# Altium PCB master.PcbDoc (part 5 of 10) (continued)
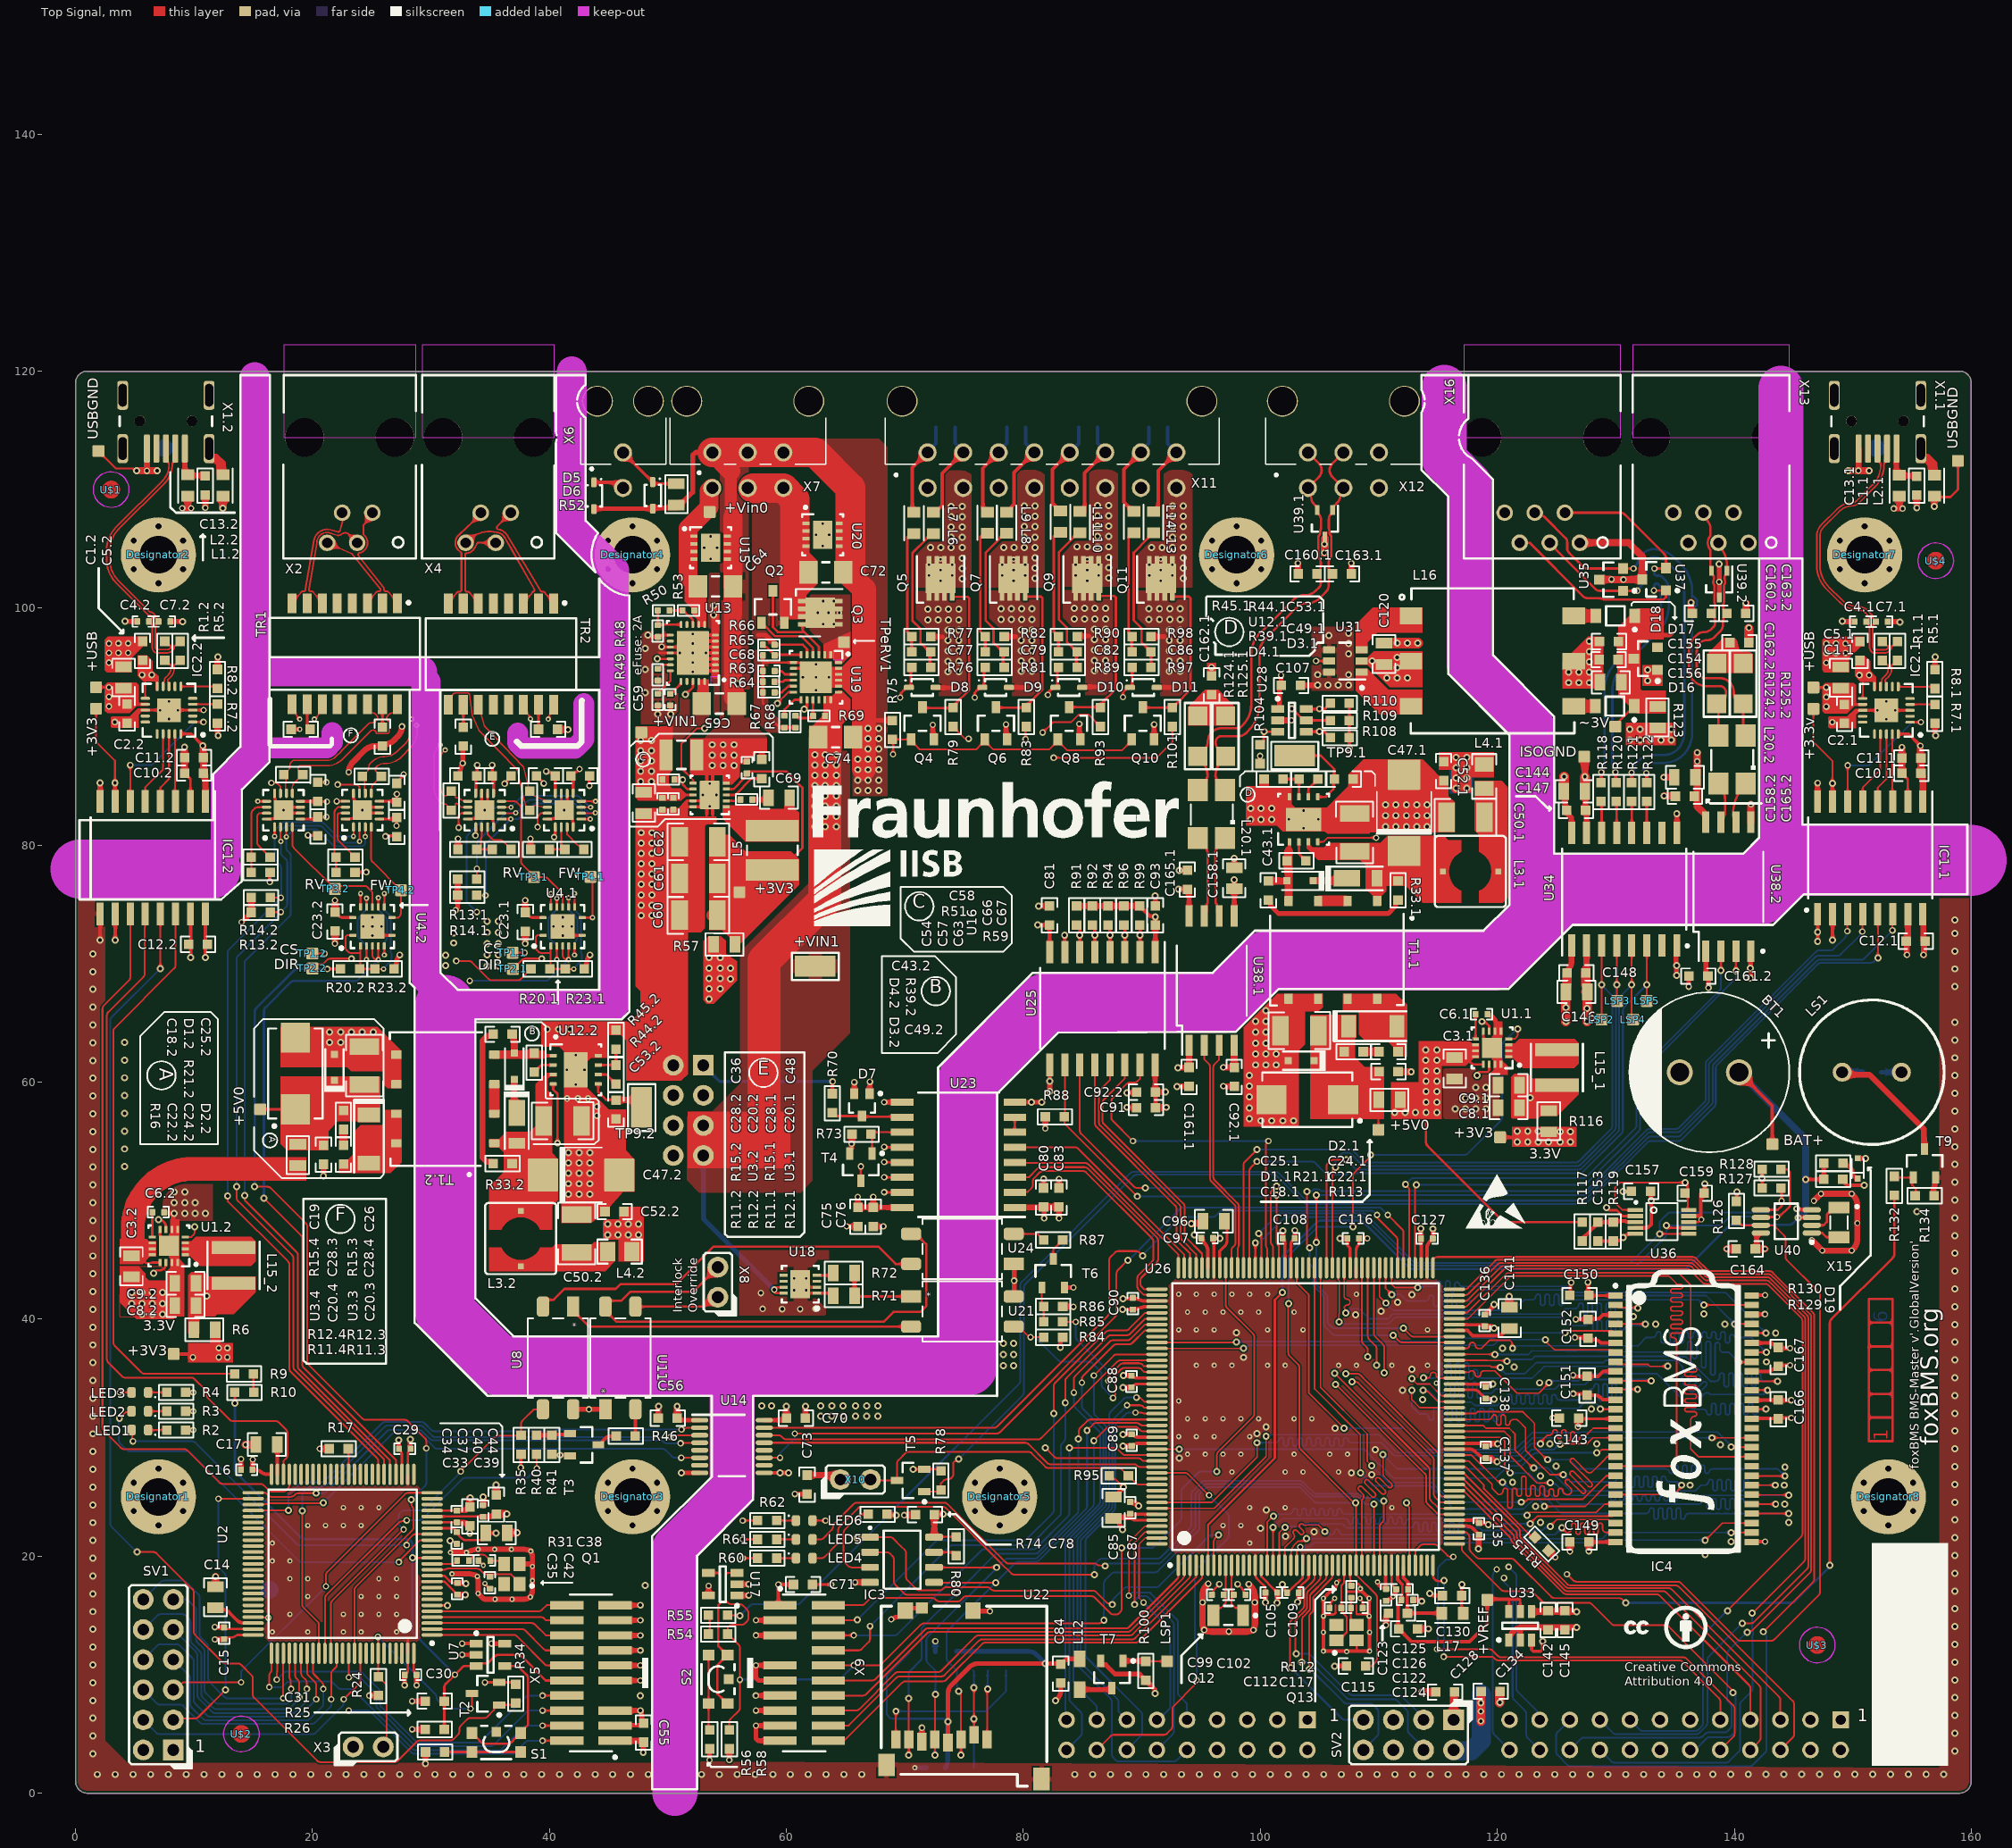
[diagram p0: Top Signal view]
## Nets (pads, with @x,y where several pads share a name; then routed paths per layer and width w, separated by ;. In a path a pad name is that pad's centre, name@x,y a point inside that pad or via, vN(x,y) a via of type N, cw(c..) or ccw(c..) an arc to the next point about the centre after c; other vN are vias at no path point) (continued)
  other v1: 87.19,102.552 87.19,103.425 87.19,104.299 84.525,105.172 85.398,105.172 86.272,105.172 87.19,105.172 86.272,106.045 87.19,106.045 86.272,106.919 87.19,106.919 86.272,107.792 87.19,107.792 86.272,108.666 87.19,108.666
  other v3: 85.385,102.31 84.41,102.763 86.36,102.763 85.385,103.215
  other v6: 84.41,103.668 86.36,103.668 85.385,104.12
CONTACTOR_NEG_3: D12.2 Q11.5 Q11.6 Q11.7 Q11.8 Q11.9 X11.16
  other v1: 93.493,102.503 93.493,103.377 93.493,104.25 90.828,105.123 91.702,105.123 92.575,105.123 93.493,105.123 92.575,105.997 93.493,105.997 92.575,106.87 93.493,106.87 92.575,107.744 93.493,107.744 92.575,108.617 93.493,108.617
  other v3: 91.6,102.31 90.625,102.763 92.575,102.763 91.6,103.215
  other v6: 90.625,103.668 92.575,103.668 91.6,104.12
CONTACTOR_NEG_LOCKOUT: Q4.1 Q6.1 Q8.1 Q10.1 R75.2 T4.3 | length 68.3
  Top Signal w0.15: T4.3@66.275,51.686 v2(66.275,52.9) ; v2(69,87.672) 69,88.875 R75.2@68.95,88.925 70.52,88.925 Q4.1@70.533,88.938 70.533,88.8 70.82,88.513 71.258,88.075 76.005,88.075 76.443,88.513 Q6.1@76.73,88.8 ; Q6.1@76.73,88.938 Q6.1@76.73,88.8 ; Q8.1@82.902,88.938 Q8.1@82.902,88.8 ; Q10.1@89.125,88.938 89.125,88.8 88.838,88.513 88.325,88 83.702,88 Q8.1@82.902,88.8 ; Q6.1@76.73,88.8 77.018,88.513 77.455,88.075 82.177,88.075 Q8.1@82.902,88.8
  Inner Signal w0.15: v2(66.275,52.9) 66.275,53.896 69.625,57.246 69.625,67.533 74.775,72.683 74.775,86.275 73.378,87.672 v2(69,87.672)
CONTACTOR_SUPPLY_FAULT: U25.11 U26.116 | length 31.2
  Top Signal w0.152: U25.11@84.762,61.461 84.762,55.907 ccw(c85.143,55.907) 84.874,55.638 89.325,51.186 ccw(c89.594,51.456) 89.594,51.075 v1(90.275,51.075) ; U26.116@101.072,44.534 101.072,46.028 ccw(c100.691,46.028) 100.975,46.282 100.961,46.298 cw(c101.245,46.552) 100.864,46.552 100.864,50.58 cw(c101.245,50.58) 100.975,50.849 v1(101.355,51.229)
  Bottom Signal w0.152: v1(90.275,51.075) 101.043,51.075 ccw(c101.043,51.456) 101.313,51.187 v1(101.355,51.229)
CONTACTOR_SUPPLY_FAULT_EXT: R91.1 U19.14 U25.6 | length 44.4
  Top Signal w0.2: v1(61.503,91.481) 61.618,91.481 61.737,91.6 U19.14@61.737,92.266 ; R91.1@84.486,73.264 84.762,72.988 v1(84.762,72.389) U25.6@84.762,70.961
  Inner Signal w0.152: v1(61.503,91.481) 67.769,91.481 68.025,91.225 82.818,91.225 84.762,89.281 v1(84.762,72.389)
CONTACTOR_SUPPLY_SHDN: R88.2 U25.10 U26.115 | length 31.6
  Top Signal w0.152: U25.10@83.492,61.461 83.492,57.24 83.492,57.233 cw(c83.111,57.249) R88.2@83.45,57.075 83.45,56.525 v1(89.6,50.375) ; v1(101.367,50.485) 101.367,46.536 ccw(c101.748,46.536) 101.461,46.285 101.478,46.267 cw(c101.192,46.015) 101.573,46.015 U26.115@101.573,44.334
  Bottom Signal w0.152: v1(89.6,50.375) 101.099,50.375 ccw(c101.099,50.756) v1(101.367,50.485)
CONTACTOR_SUPPLY_SHDN_EXT: U19.12 U25.7 | length 45.8
  Top Signal w0.15: v1(59.229,91.969) 59.229,91.974 60.16,92.905 60.577,92.905 U19.12@60.587,92.916
  Top Signal w0.2: U25.7@83.492,70.961 v1@83.492,72.481
  Inner Signal w0.15: v1(59.229,91.969) 60.342,90.856 82.318,90.856 83.485,89.689 v1(83.485,72.389)
CS_1: TP1.1.1 U4.1.6 U4.1.10 U4.1.13 | length 16.4
  Top Signal w0.152: TP1.1.1@36.883,70.923 TP1.1.1@36.883,70.923 ccw(c37.011,71.281) 37.095,70.91 37.151,70.923 v2(37.912,70.923) ; U4.1.13@40.115,74.785 v3(40.115,75.925) ; U4.1.10@41.615,74.785 v3@41.615,75.559 ; v3(42.115,70.727) U4.1.6@42.115,71.485
  Inner Signal w0.152: v2(37.912,70.923) 37.929,70.94 cw(c38.198,70.671) 38.198,71.051 41.634,71.051 cw(c41.634,70.671) 41.903,70.939 v3(42.115,70.727) ; v3(40.115,75.925) cw(c39.744,76.009) 40.107,75.897 40.056,75.728 ccw(c40.419,75.617) 40.039,75.617 40.039,75.184 ccw(c40.419,75.184) 40.15,74.915 40.229,74.836 ccw(c40.497,75.105) 40.497,74.725 41.045,74.725 ccw(c41.045,75.105) 41.313,74.836 41.473,74.996 ccw(c41.205,75.265) 41.585,75.265 41.585,75.417 cw(c41.965,75.417) 41.607,75.545 v3(41.613,75.561)
  Bottom Signal w0.152: v3(41.613,75.561) 41.613,74.706 ccw(c41.993,74.706) 41.724,74.438 42.237,73.925 cw(c41.968,73.656) 42.348,73.656 42.348,72.217 cw(c41.968,72.217) 42.237,71.948 42.227,71.938 ccw(c42.495,71.669) 42.115,71.669 v3(42.115,70.727)
CS_2: TP1.2.1 U4.2.6 U4.2.10 U4.2.13 | length 17.1
  Top Signal w0.152: TP1.2.1@20.114,70.722 20.13,70.739 cw(c20.399,70.47) 20.145,70.752 20.253,70.85 v2(21.015,70.85) ; U4.2.13@24.056,74.785 v3(24.056,75.925) ; U4.2.10@25.556,74.785 v3(25.554,75.561) ; v3(26.056,70.727) U4.2.6@26.056,71.485
  Inner Signal w0.152: v2(21.015,70.85) 21.105,70.939 cw(c21.374,70.671) 21.374,71.051 25.575,71.051 cw(c25.575,70.671) 25.844,70.939 v3(26.056,70.727) ; v3(24.056,75.925) cw(c23.685,76.009) 24.049,75.897 23.997,75.728 ccw(c24.36,75.617) 23.98,75.617 23.98,75.184 ccw(c24.36,75.184) 24.091,74.915 24.17,74.836 ccw(c24.438,75.105) 24.438,74.725 24.986,74.725 ccw(c24.986,75.105) 25.254,74.836 25.414,74.996 ccw(c25.146,75.265) 25.526,75.265 25.526,75.417 cw(c25.906,75.417) 25.548,75.545 v3@25.554,75.56
  Bottom Signal w0.152: v3(25.554,75.561) 25.554,74.706 ccw(c25.934,74.706) 25.666,74.438 26.179,73.925 cw(c25.91,73.656) 26.29,73.656 26.29,72.217 cw(c25.91,72.217) 26.178,71.948 26.168,71.938 ccw(c26.436,71.669) 26.056,71.669 v3(26.056,70.727)
D\I\R\_1: TP2.1.1 U4.1.3 U4.1.12 | length 11.7
  Top Signal w0.152: TP2.1.1@36.915,69.55 37.678,70.314 cw(c37.947,70.045) 37.947,70.425 v2(39.354,70.425) ; v3(40.615,70.345) U4.1.3@40.615,71.485 ; U4.1.12@40.615,74.785 v3(40.615,75.525)
  Inner Signal w0.152: v2(39.354,70.425) ccw(c39.587,70.725) 39.587,70.345 v3(40.615,70.345)
  Bottom Signal w0.152: v3(40.615,70.345) 40.615,71.353 ccw(c40.235,71.353) 40.504,71.621 39.998,72.127 cw(c40.267,72.396) 39.887,72.396 39.887,73.675 cw(c40.267,73.675) 39.998,73.944 40.503,74.449 ccw(c40.235,74.718) 40.615,74.718 v3(40.615,75.525)
D\I\R\_2: TP2.2.1 U4.2.3 U4.2.12 | length 12.2
  Top Signal w0.152: TP2.2.1@20.2,69.95 20.866,69.95 20.977,70.059 20.979,70.061 21.231,70.313 cw(c21.5,70.045) 21.5,70.425 v2(23.295,70.425) ; v3(24.556,70.345) U4.2.3@24.556,71.485 ; U4.2.12@24.556,74.785 v3(24.556,75.525)
  Inner Signal w0.152: v2(23.295,70.425) ccw(c23.528,70.725) 23.528,70.345 v3(24.556,70.345)
  Bottom Signal w0.152: v3(24.556,70.345) 24.556,71.353 ccw(c24.176,71.353) 24.445,71.621 23.939,72.127 cw(c24.208,72.396) 23.828,72.396 23.828,73.675 cw(c24.208,73.675) 23.939,73.944 24.444,74.449 ccw(c24.176,74.718) 24.556,74.718 v3(24.556,75.525)
D_1_N: C7.1.2 R1.1.1 X1.1.2 | length 24.2
  Top Signal w0.14: 151.599,99.452 151.249,99.802 ccw(c150.482,99.035) 150.482,100.12 150.478,100.12 cw(c150.478,102.127) 149.059,100.708 147.971,101.796 cw(c149.767,103.592) 147.227,103.592 147.227,106.078 cw(c148.33,106.078) 147.55,106.858 148.852,108.161 cw(c150.015,106.998) 150.015,108.642 150.016,108.642 ccw(c150.016,109.288) 150.473,108.831 151.856,110.214 ccw(c150.008,112.062) 152.621,112.062 152.621,112.063 cw(c153.076,112.063) 152.754,112.385 ccw(c152.432,112.707) 152.887,112.707 X1.1.2@152.887,113.464 ; 151.599,99.452 cw(c151.406,99.259) 151.679,99.259 151.679,99.203 ccw(c151.819,99.203) 151.72,99.105 151.761,99.064 151.766,99.064 151.928,98.901 cw(c151.886,98.859) C7.1.2@151.946,98.859 cw(c151.886,98.859) 151.928,98.816 151.766,98.653 151.761,98.653 ccw(c151.959,98.456) 151.679,98.456 151.679,96.771 ccw(c152.08,96.771) 151.797,96.488 152.708,96.488 ccw(c152.708,96.772) 152.909,96.571 152.951,96.613 ccw(c152.853,96.712) 152.992,96.712 ccw(c152.853,96.712) 152.951,96.811 152.947,96.816 ccw(c152.859,96.728) 152.859,96.852 cw(c152.859,96.976) 152.772,96.888 R1.1.1@152.478,97.182
D_1_P: C4.1.2 R5.1.1 X1.1.3 | length 25
  Top Signal w0.14: X1.1.3@152.087,113.464 152.087,112.707 ccw(c152.543,112.707) 152.221,112.385 cw(c151.899,112.063) 152.354,112.063 cw(c150.005,112.063) 151.666,110.402 150.285,109.021 cw(c150.015,109.291) 150.015,108.909 150.014,108.909 ccw(c150.014,107.001) 148.665,108.35 147.36,107.046 ccw(c148.327,106.08) 146.96,106.08 146.96,103.591 ccw(c149.764,103.591) 147.781,101.609 148.873,100.517 ccw(c150.475,102.118) 150.475,99.853 150.478,99.853 cw(c150.478,99.027) 151.063,99.611 151.372,99.302 cw(c151.273,99.203) 151.413,99.203 cw(c151.273,99.203) 151.372,99.105 151.331,99.064 151.326,99.064 151.164,98.901 ccw(c151.206,98.859) C4.1.2@151.146,98.859 ccw(c151.206,98.859) 151.164,98.816 151.326,98.653 151.331,98.653 cw(c151.133,98.456) 151.413,98.456 151.413,96.77 ccw(c152.078,96.77) 151.607,96.3 151.609,96.298 ccw(c151.795,96.484) 151.795,96.221 152.708,96.221 ccw(c152.708,96.77) 153.097,96.382 153.179,96.464 ; 153.179,96.464 ccw(c152.986,96.657) 153.259,96.657 153.259,96.712 cw(c153.399,96.712) 153.3,96.811 153.305,96.816 cw(c153.392,96.728) 153.392,96.852 ccw(c153.392,96.976) 153.48,96.888 R5.1.1@153.773,97.182
D_2_N: C7.2.2 R1.2.1 X1.2.2 | length 22.9
  Top Signal w0.14: R1.2.1@7.532,97.199 7.826,96.905 ccw(c7.913,96.992) 7.913,96.868 cw(c7.913,96.745) 8.001,96.832 8.005,96.827 cw(c7.907,96.729) 8.046,96.729 cw(c7.907,96.729) 8.005,96.63 7.96,96.585 cw(c7.752,96.793) 7.752,96.499 6.832,96.499 cw(c7.07,96.736) 6.733,96.736 6.733,98.472 cw(c7.013,98.472) 6.815,98.67 6.82,98.67 6.982,98.832 ccw(c6.94,98.875) C7.2.2@7,98.875 ccw(c6.94,98.875) 6.982,98.918 6.82,99.08 6.815,99.08 6.774,99.121 cw(c6.873,99.22) 6.733,99.22 6.733,99.275 ccw(c6.46,99.275) 6.654,99.468 6.528,99.593 ccw(c6.383,99.448) 6.383,99.653 cw(c6.383,99.859) 6.237,99.714 3.604,102.347 cw(c5.318,104.062) 2.893,104.062 2.893,104.871 cw(c5.433,104.871) 3.637,106.668 7.542,110.572 ccw(c6.053,112.06) 8.158,112.06 8.158,112.063 cw(c8.614,112.063) 8.292,112.385 ccw(c7.97,112.707) 8.425,112.707 X1.2.2@8.425,113.464
D_2_P: C4.2.2 R5.2.1 X1.2.3 | length 23.7
  Top Signal w0.14: X1.2.3@7.625,113.464 7.625,112.707 ccw(c8.08,112.707) 7.758,112.385 cw(c7.436,112.063) 7.892,112.063 cw(c6.046,112.063) 7.351,110.758 3.447,106.854 ccw(c5.426,104.875) 2.627,104.875 2.627,104.06 ccw(c5.313,104.06) 3.413,102.161 6.127,99.447 ccw(c6.272,99.592) 6.272,99.387 6.281,99.387 cw(c6.281,99.201) 6.412,99.332 6.426,99.319 cw(c6.327,99.22) 6.467,99.22 cw(c6.327,99.22) 6.426,99.121 6.385,99.08 6.38,99.08 6.218,98.918 ccw(c6.26,98.875) C4.2.2@6.2,98.875 ccw(c6.26,98.875) 6.218,98.832 6.38,98.67 6.385,98.67 cw(c6.187,98.472) 6.467,98.472 6.467,96.734 ccw(c7.064,96.734) 6.642,96.312 6.645,96.308 ccw(c6.83,96.493) 6.83,96.232 7.753,96.232 ccw(c7.753,96.79) 8.148,96.395 8.233,96.48 ccw(c8.04,96.673) 8.313,96.673 8.313,96.729 cw(c8.453,96.729) 8.354,96.827 8.359,96.832 cw(c8.446,96.745) 8.446,96.868 ccw(c8.446,96.992) 8.534,96.905 R5.2.1@8.828,97.199
DATA_STORAGE_SPI_EEPROM_CS: IC3.1 U26.7 | length 39.6
  Top Signal w0.15: v1(65.939,21.534) cw(c66.091,21.191) 66.092,21.566 66.902,21.566 ccw(c66.902,21.941) 67.039,21.592 IC3.1@67.054,21.598 ; IC3.1@67.055,21.599 68.757,21.599 cw(c68.757,21.224) 69.023,21.488 69.667,20.844 69.988,20.523 cw(c69.724,20.257) 70.099,20.257 70.099,18.238 ccw(c70.474,18.238) 70.209,17.973 70.946,17.237 ccw(c71.211,17.502) 71.211,17.127 72.945,17.127 ccw(c72.945,17.502) 73.21,17.237 73.257,17.284 cw(c73.523,17.019) 73.523,17.394 74.07,17.394 ccw(c74.07,17.769) 74.086,17.394 74.157,17.397 cw(c74.173,17.023) 74.173,17.398 76.922,17.398 cw(c76.922,17.023) 77.188,17.287 cw(c76.924,17.021) 77.19,17.285 77.266,17.209 ccw(c77.531,17.474) 77.531,17.099 85.849,17.099 cw(c85.849,16.724) 86.117,16.987 87.087,16.016 87.405,16.016 v1(87.492,15.93) ; U26.7@96.073,19.234 96.073,21.261 cw(c96.448,21.261) 96.182,21.527 v1(96.463,21.807)
  Bottom Signal w0.15: v1(87.492,15.93) 87.492,16.12 cw(c87.867,16.12) 87.601,16.385 88.5,17.284 cw(c88.765,17.019) 88.765,17.394 91.218,17.394 ccw(c91.218,17.769) 91.483,17.504 95.677,21.697 cw(c95.942,21.432) 95.942,21.807 v1(96.463,21.807)
DATA_STORAGE_SPI_Memory_NSS: U26.11
DATA_STORAGE_SPI_Memorycard_NSS: LSP6.1 R140.1 U22.2 | length 9.6
  Top Signal w0.152: U22.2@75.831,4.931 v1(75.831,6.256) v1(75.831,8.894)
  Bottom Signal w0.152: R140.1@75.755,10.364 75.831,10.288 v1(75.831,8.894) ; LSP6.1@75.831,2.141 v1(75.831,6.256)
DATA_STORAGE_SPI_MISO: IC3.2 LSP9.1 R143.1 U22.7 U26.155 | length 53.6
  Top Signal w0.152: IC3.2@67.055,20.329 68.469,20.329 cw(c68.469,19.948) 68.739,20.216 cw(c68.471,19.945) 68.741,20.214 68.954,20.001 cw(c68.686,19.73) 69.067,19.73 69.067,17.877 ccw(c69.448,17.877) 69.178,17.608 69.925,16.861 ccw(c70.195,17.131) 70.195,16.75 74.027,16.75 ccw(c74.027,17.131) 74.297,16.861 v1(74.331,16.896) ; v1(70.319,8.006) 70.32,8.004 70.324,7.98 cw(c69.95,7.909) 70.331,7.909 U22.7@70.331,4.531 v1(70.331,3.226) ; v1(84.632,29.901) ccw(c84.294,30.078) 84.675,30.079 84.675,30.542 cw(c85.056,30.542) 84.787,30.812 85.397,31.422 cw(c85.667,31.153) 85.667,31.534 U26.155@91.273,31.534
  Bottom Signal w0.152: v1(70.319,8.006) 70.319,10.097 70.335,10.151 cw(c70.7,10.042) 70.382,10.252 R143.1@70.389,10.263 ; v1(70.331,3.226) LSP9.1@70.331,4.531 ; R143.1@70.389,10.263 71.291,11.165 ccw(c71.022,11.434) 71.403,11.434 71.403,13.776 cw(c71.784,13.776) 71.514,14.045 74.348,16.879 77.573,20.103 cw(c77.842,19.834) 77.842,20.215 81.009,20.215 ccw(c81.009,20.596) 81.279,20.327 84.52,23.568 ccw(c84.251,23.837) 84.632,23.837 v1(84.632,29.901)
DATA_STORAGE_SPI_MOSI: IC3.5 LSP7.1 R141.1 U22.3 U26.157 | length 45.5
  Top Signal w0.152: IC3.5@72.455,17.789 ccw(c72.598,18.142) 72.598,17.761 v1(77.65,17.761) ; v1(74.534,8.593) 74.619,8.507 cw(c74.35,8.238) 74.731,8.238 U22.3@74.731,4.531 v1(74.731,3.221) ; v1(85.937,29.73) 87.023,30.816 cw(c87.292,30.547) 87.292,30.928 89.397,30.928 cw(c89.397,30.547) 89.667,30.815 cw(c89.399,30.545) 89.669,30.813 89.837,30.645 ccw(c90.106,30.915) 89.935,30.575 90.016,30.534 U26.157@91.273,30.534
  Bottom Signal w0.152: R141.1@74.372,10.331 74.372,9.033 ccw(c74.753,9.033) 74.431,8.829 74.477,8.758 cw(c74.155,8.554) v1(74.534,8.593) ; R141.1@74.372,10.364 73.619,11.117 cw(c73.889,11.386) 73.508,11.386 73.508,13.46 cw(c73.889,13.46) 73.619,13.73 v1(77.65,17.761) 79.324,19.435 cw(c79.594,19.166) 79.594,19.547 81.055,19.547 ccw(c81.055,19.928) 81.324,19.658 85.825,24.159 ccw(c85.556,24.429) 85.937,24.429 v1(85.937,29.73) ; v1(74.731,3.221) LSP7.1@74.731,4.531
DATA_STORAGE_SPI_SCK: IC3.6 LSP8.1 R142.2 U22.5 U26.156 | length 47.6
  Top Signal w0.152: IC3.6@72.455,19.059 v1(77.753,19.059) ; v1(72.531,3.221) 72.531,8.18 cw(c72.912,8.18) 72.557,8.32 v1(72.565,8.337) ; v1(85.37,30.619) ccw(c85.143,30.925) 85.413,30.656 85.888,31.131 cw(c86.157,30.861) 86.157,31.242 89.534,31.242 cw(c89.534,30.861) 89.788,31.145 89.804,31.131 ccw(c90.058,31.415) 89.974,31.043 90.016,31.034 U26.156@91.273,31.034
  Bottom Signal w0.152: v1(72.531,3.221) LSP8.1@72.531,4.531 ; v1(72.565,8.337) R142.2@72.565,10.346 71.914,10.996 cw(c72.184,11.266) 71.803,11.266 71.803,12.903 cw(c72.184,12.903) 71.914,13.173 77.776,19.035 78.429,19.687 cw(c78.698,19.418) 78.698,19.799 80.95,19.799 ccw(c80.95,20.18) 81.22,19.911 85.258,23.949 ccw(c84.989,24.219) 85.37,24.219 v1(85.37,30.619)
DEBUG_LED_0_MCU_0: LED4.2 U26.35 | length 64.5
  Top Signal w0.15: LED4.2@62.2,19.829 62.938,19.829 ccw(c62.938,20.204) 63.203,19.939 64.269,21.006 ccw(c64.004,21.271) 64.379,21.271 64.379,22.233 cw(c64.754,22.233) 64.489,22.498 66.063,24.072 cw(c66.328,23.807) 66.328,24.182 73.184,24.182 cw(c73.184,23.807) 73.451,24.07 78.105,19.416 ; 78.106,19.415 78.967,18.554 ccw(c79.232,18.819) 79.232,18.444 v1(85.979,18.444) ; U26.35@110.073,19.234 110.073,22.471 cw(c110.448,22.47) 110.183,22.736 110.312,22.866 ccw(c110.048,23.131) 110.422,23.131 v1(110.422,24.64)
  Bottom Signal w0.15: v1(85.979,18.444) 85.979,19.115 cw(c86.354,19.115) 86.089,19.38 86.398,19.69 cw(c86.663,19.424) 86.663,19.799 91.319,19.799 ccw(c91.319,20.174) 91.584,19.909 94.069,22.393 ccw(c93.804,22.659) 94.179,22.659 94.179,25.24 cw(c94.554,25.24) 94.288,25.505 95.016,26.233 cw(c95.281,25.967) 95.281,26.342 103.353,26.342 cw(c103.353,25.967) 103.621,26.23 103.69,26.16 cw(c103.25,25.717) 103.693,26.158 104.473,25.378 ccw(c104.738,25.644) 104.738,25.269 108.186,25.269 cw(c108.186,24.894) 108.451,25.158 108.599,25.011 ccw(c108.863,25.277) 108.863,24.902 109.625,24.902 cw(c109.625,24.527) 109.722,24.889 109.819,24.863 110.011,24.671 110.381,24.671 v1(110.422,24.64)
DEBUG_LED_0_MCU_1: LED1.2 U2.18 | length 30.3
  Top Signal w0.152: LED1.2@4.726,30.643 LED1.2@4.726,30.643 4.735,30.627 cw(c4.401,30.444) 4.782,30.444 4.782,29.811 4.813,29.74 ccw(c5.163,29.89) v4(4.839,29.69) ; v4(27.94,20.937) 27.94,21.084 cw(c28.321,21.084) 28.052,21.354 28.44,21.742 cw(c28.71,21.473) 28.71,21.854 U2.18@30.092,21.854
  Bottom Signal w0.152: v4(4.839,29.69) 9.848,29.69 cw(c9.848,29.309) 10.119,29.577 18.648,21.049 ccw(c18.917,21.318) 18.917,20.937 v4(27.94,20.937)
DEBUG_LED_1_MCU_0: LED5.2 U26.34 | length 61.6
  Top Signal w0.15: LED5.2@62.2,21.417 62.925,21.417 62.987,21.439 ccw(c62.86,21.792) 63.125,21.527 63.819,22.221 ccw(c63.554,22.486) 63.929,22.486 63.929,22.501 cw(c64.304,22.501) 64.039,22.766 65.68,24.407 cw(c65.944,24.142) 65.944,24.517 73.313,24.517 cw(c73.313,24.142) 73.58,24.405 78.496,19.489 ccw(c78.761,19.754) 78.761,19.379 85.975,19.379 cw(c85.975,19.004) 86.185,19.315 86.244,19.275 ccw(c86.454,19.586) 86.421,19.212 86.849,19.174 ccw(c86.883,19.547) 86.871,19.173 v1(86.89,19.172) ; U26.34@109.573,19.234 v1(109.573,24.4) ; v1(86.89,19.172) 86.966,19.249 87.042,19.172 v1(86.89,19.172)
  Bottom Signal w0.15: v1(86.89,19.172) 87.097,19.379 91.368,19.379 ccw(c91.368,19.754) 91.633,19.489 94.4,22.256 ccw(c94.135,22.521) 94.51,22.521 94.51,25.094 cw(c94.885,25.094) 94.62,25.359 95.244,25.983 cw(c95.508,25.717) 95.508,26.092 103.25,26.092 cw(c103.25,25.717) 103.517,25.98 103.587,25.91 cw(c103.146,25.467) 103.589,25.909 104.369,25.128 ccw(c104.634,25.394) 104.634,25.019 108.082,25.019 cw(c108.082,24.644) 108.349,24.907 108.386,24.87 108.747,24.509 ccw(c109.012,24.775) 109.012,24.4 v1(109.573,24.4)
DEBUG_LED_1_MCU_1: LED2.2 U2.17 | length 34.6
  Top Signal w0.152: v1(3.706,31.624) 4.237,32.155 4.608,32.155 4.7,32.212 ccw(c4.499,32.536) 4.716,32.223 LED2.2@4.725,32.229 ; v4(27.295,19.505) cw(c27.665,19.412) 27.396,19.682 29.068,21.354 U2.17@30.092,21.354
  Bottom Signal w0.152: v1(3.706,31.624) 3.698,31.608 ccw(c4.046,31.452) 3.665,31.452 3.665,29.772 ccw(c4.046,29.772) 3.776,29.503 4.341,28.939 ccw(c4.61,29.208) 4.61,28.827 9.46,28.827 cw(c9.46,28.446) 9.731,28.714 18.828,19.617 ccw(c19.098,19.886) 19.098,19.505 v4(27.295,19.505)
DIR_1: R20.1.2 R23.1.1 U4.1.1 U4.1.2 U4.1.9 | length 15
  Top Signal w0.15: U4.1.1@39.465,72.385 38.96,72.385 38.855,72.28 38.855,71.37 ccw(c39.23,71.37) 38.965,71.105 39.055,71.014 ccw(c39.32,71.279) 39.32,70.904 40.109,70.904 ; U4.1.2@40.115,71.485 40.112,71.465 ccw(c40.484,71.417) 40.109,71.417 40.109,70.904 ; R23.1.1@41.334,69.55 R20.1.2@40.029,69.55 ccw(c39.734,69.782) 40.089,69.661 40.109,69.719 40.109,70.904
  Top Signal w0.152: R23.1.1@41.334,69.55 v3(42.055,69.55) ; U4.1.9@42.115,74.785 v3(42.115,75.925)
  Bottom Signal w0.152: v3(42.055,69.55) cw(c42.412,69.42) 42.143,69.688 42.618,70.163 ccw(c42.35,70.433) 42.73,70.433 42.73,70.702 ccw(c42.35,70.702) 42.717,70.802 42.668,70.981 cw(c43.035,71.081) 42.655,71.081 42.655,73.843 ccw(c42.275,73.843) 42.541,74.114 42.226,74.429 cw(c42.495,74.698) 42.115,74.698 v3(42.115,75.925)
DIR_2: R20.2.2 R23.2.1 U4.2.1 U4.2.2 U4.2.9 | length 15
  Top Signal w0.15: U4.2.1@23.406,72.385 22.901,72.385 22.796,72.28 22.796,71.37 ccw(c23.171,71.37) 22.906,71.105 22.997,71.014 ccw(c23.261,71.279) 23.261,70.904 24.05,70.904 ; U4.2.2@24.056,71.485 24.053,71.465 ccw(c24.425,71.417) 24.05,71.417 24.05,70.904 ; R23.2.1@25.276,69.55 R20.2.2@23.97,69.55 ccw(c23.675,69.782) 24.03,69.661 24.05,69.719 24.05,70.904
  Top Signal w0.152: R23.2.1@25.276,69.55 v3(25.996,69.55) ; U4.2.9@26.056,74.785 v3(26.056,75.925)
  Bottom Signal w0.152: v3(25.996,69.55) cw(c26.353,69.42) 26.084,69.688 26.559,70.163 ccw(c26.291,70.433) 26.671,70.433 26.671,70.702 ccw(c26.291,70.702) 26.658,70.802 26.609,70.981 cw(c26.976,71.081) 26.596,71.081 26.596,73.843 ccw(c26.216,73.843) 26.482,74.114 26.167,74.429 cw(c26.436,74.698) 26.056,74.698 v3(26.056,75.925)
EXT_0.FAULT: R51.1 U13.22 U16.7 | length 10.8
  Top Signal w0.2: v1(51.228,85.528) 51.11,85.528 51.228,85.41 51.228,85.145 51.637,84.736 U16.7@52.121,84.736 ; v1(51.483,92.708) 52.102,93.327 U13.22@52.102,93.817
  Top Signal w0.5: R51.1@50.545,85.536 50.545,85.528 v1@51.11,85.528
  Inner Signal w0.2: v1(51.228,85.528) 51.228,85.87 51.483,86.126 v1(51.483,92.708)
EXT_0.SHDN: U13.14
EXT_0_SUPPLY: +Vin0.1 C64.2 R53.2 U13.8 U13.9 U15.1 U15.2 U15.3 U15.4 X7.4 | length 10.7
  Top Signal w0.2: U13.9@52.602,98.617 52.602,99.165 ; U13.8@53.102,98.617 53.102,99.276
  Top Signal w1.5: 51.703,102.582 C64.2@52.527,101.758
  Top Signal w1.6: 51.703,102.582 51.703,104.775 51.703,106.74 53.46,108.498 53.46,109.904 X7.4@53.691,110.134
EXT_2.PGOOD: U19.16
EXT_2_SUPPLY: C72.2 Q2.2 Q3.1 Q3.2 Q3.3 R66.2 U19.5 U20.1 U20.2 U20.3 U20.4 X7.5 X7.6 | length 18.6
  Top Signal w0.2: R66.2@59.007,96.934 59.032,96.909 61.378,96.909 61.737,96.55 U19.5@61.737,96.066
  Top Signal w0.4: 57.62,97.729 58.212,97.729 59.007,96.934 R66.2@59.007,96.909 ; Q2.2@59.807,98.766 ccw(c59.266,99.307) 60.032,99.307 60.032,99.865 cw(c60.21,99.687) 60.21,99.939 Q3.2@61.307,99.939
  Top Signal w2.5: X7.5@57.175,110.134 59.743,110.134 60.699,109.178 60.699,102.1
EXT_+3.3V_0+: +3V3.1@56.037,76.029 C60.2 C61.2 C62.2 C66.2 L5.2 R57.2 U16.4 | length 16.2
  Top Signal w0.2: U16.4@54.921,84.736 55.532,84.736 56.494,85.698 56.494,85.897 56.644,86.047 C66.2@56.657,86.047 56.807,86.197 56.927,86.197 56.95,86.22 59.973,86.22 61.343,84.85 61.343,79.749 59.766,78.173 59.065,78.173 L5.2@58.804,77.911
  Top Signal w1: C60.2@53.755,74.058 C60.2@53.755,74.094
EXT_+3.3V_0_PG: R104.1 U16.6 U28.3 | length 59.9
  Top Signal w0.152: U16.6@52.121,85.236 52.121,85.51 51.132,86.499 51.132,88.541 52.45,89.859 v1(53.102,89.859)
  Top Signal w0.2: R104.1@99.975,88.475 100.275,88.775 100.275,89.533 v1(100.321,89.58) U28.3@101.459,89.58
  Inner Signal w0.2: v1(53.102,89.859) 54.755,89.859 57.586,92.69 62.015,92.69 62.239,92.466 62.736,92.466 62.959,92.69 68.435,92.69 68.841,93.096 71.937,93.096 72.325,92.708 74.901,92.708 75.368,93.175 78.025,93.175 78.45,92.75 81.213,92.75 81.813,93.35 85.356,93.35 85.581,93.125 87.306,93.125 87.556,93.375 89,93.375 92.795,89.58 v1(100.321,89.58)
FB_EXT_0: D8.1 R76.2 R92.1 U25.5 | length 41
  Top Signal w0.2: v2(69.6,92.446) 69.6,92.475 69.667,92.542 69.667,92.842 70.107,93.282 70.377,93.282 70.501,93.406 R76.2@70.501,94.974 ; R92.1@85.816,73.264 86.032,73.048 v1(86.032,72.389) U25.5@86.032,70.961
  Inner Signal w0.152: v2(69.6,92.446) 69.629,92.446 70.402,91.673 85.152,91.673 86.032,90.793 v1(86.032,72.389)
FB_EXT_1: D9.1 R81.2 R94.1 U25.4 | length 35.7
  Top Signal w0.2: v2(75.886,92.454) 75.892,92.46 75.892,92.869 76.331,93.308 D9.1@76.531,93.308 76.549,93.308 76.673,93.432 R81.2@76.673,95 ; R94.1@87.146,73.264 87.302,73.108 v1(87.302,72.389) U25.4@87.302,70.961
  Inner Signal w0.152: v2(75.886,92.454) 76.29,92.05 85.75,92.05 87.302,90.498 v1(87.302,72.389)
FB_EXT_2: D10.1 R89.2 R96.1 U25.3 | length 30.4
  Top Signal w0.2: v2(82.058,92.676) 82.125,92.743 82.125,92.93 82.382,93.188 82.575,93.188 82.868,93.481 R89.2@82.868,95.049 ; R96.1@88.476,73.264 88.572,73.168 v1(88.572,72.389) U25.3@88.572,70.961
  Inner Signal w0.152: v2(82.058,92.676) 85.899,92.676 88.572,90.003 v1(88.572,72.389)
FB_EXT_3: D11.1 R97.1 R99.1 U25.2 | length 26
  Top Signal w0.2: v2(88.4,92.492) 88.4,92.896 88.812,93.308 89.047,93.308 89.171,93.432 R97.1@89.171,95 ; R99.1@89.806,73.264 89.842,73.228 v1(89.842,72.389) U25.2@89.842,70.961
  Inner Signal w0.152: v2(88.4,92.492) 89.842,91.05 v1(89.842,72.389)
FMC_MCU_0_RAM_A0: IC4.23 U26.16 | length 38.6
  Top Signal w0.134: U26.16@100.573,19.234 100.573,22.866 v1(101.092,23.385) ; v1(122.498,23.458) 122.498,23.466 122.72,23.687 123.037,23.687 123.044,23.694 128.342,23.694 129.044,24.396 IC4.23@129.966,24.396
  Bottom Signal w0.134: v1(101.092,23.385) 101.181,23.474 101.448,23.474 101.521,23.547 102.343,23.547 102.414,23.547 ccw(c102.414,23.882) 102.745,23.833 ; 102.745,23.834 cw(c102.932,23.834) 103.119,23.834 103.119,23.616 ccw(c103.306,23.616) 103.493,23.616 103.493,23.834 cw(c103.68,23.834) 103.867,23.834 103.867,23.616 ccw(c104.054,23.616) 104.241,23.616 104.241,23.834 cw(c104.428,23.834) 104.615,23.834 104.615,23.616 ccw(c104.802,23.616) 104.989,23.616 104.989,23.834 cw(c105.176,23.834) 105.363,23.834 105.363,23.616 ccw(c105.55,23.616) 105.737,23.616 105.737,23.834 cw(c105.924,23.834) 106.111,23.834 106.111,23.616 ccw(c106.298,23.616) 106.485,23.616 106.485,23.834 cw(c106.672,23.834) 106.859,23.834 ccw(c107.191,23.882) 107.191,23.547 107.614,23.547 107.681,23.547 122.409,23.547 v1(122.498,23.458)
FMC_MCU_0_RAM_A1: IC4.24 U26.17 | length 38.6
  Top Signal w0.134: U26.17@101.072,19.234 v1(101.072,22.418) ; v1(122.775,22.725) 122.775,22.764 123.392,23.381 129.751,23.381 IC4.24@129.966,23.596
  Bottom Signal w0.134: v1(101.072,22.418) 101.83,23.175 106.672,23.175 107.117,23.175 cw(c107.117,22.84) 107.448,22.889 ccw(c107.635,22.888) 107.822,22.888 107.822,23.106 cw(c108.009,23.106) 108.196,23.106 108.196,22.888 ccw(c108.383,22.888) 108.57,22.888 108.57,23.106 cw(c108.757,23.106) 108.944,23.106 108.944,22.888 ccw(c109.131,22.888) 109.318,22.888 109.318,23.106 cw(c109.505,23.106) 109.692,23.106 109.692,22.888 ccw(c109.879,22.888) 110.066,22.888 110.066,23.106 cw(c110.253,23.106) 110.44,23.106 110.44,22.888 ccw(c110.627,22.888) 110.814,22.888 110.814,23.106 cw(c111.001,23.106) 111.188,23.106 111.188,22.888 ccw(c111.375,22.888) 111.562,22.888 111.562,23.106 cw(c111.749,23.106) 111.936,23.106 111.936,22.888 ccw(c112.123,22.888) 112.31,22.888 cw(c112.642,22.84) 112.643,23.175 113.364,23.175 120.053,23.175 120.503,22.725 v1(122.775,22.725)
FMC_MCU_0_RAM_A2: IC4.25 U26.18 | length 39.2
  Top Signal w0.134: U26.18@101.573,19.234 101.596,19.257 101.596,21.988 102.025,22.418 v1(102.072,22.418) ; v1(124.475,22.491) 124.475,22.557 125.015,23.098 129.339,23.098 129.641,22.796 IC4.25@129.966,22.796
  Bottom Signal w0.134: v1(102.072,22.418) 102.162,22.507 103.241,22.507 103.449,22.714 106.961,22.714 107.28,22.395 112.572,22.395 112.642,22.395 ccw(c112.642,22.73) 112.974,22.681 cw(c113.161,22.682) 113.348,22.682 113.348,22.248 ccw(c113.535,22.248) 113.722,22.248 113.722,22.682 cw(c113.909,22.682) 114.096,22.682 114.096,22.248 ccw(c114.283,22.248) 114.47,22.248 114.47,22.682 cw(c114.657,22.682) 114.844,22.682 114.844,22.248 ccw(c115.031,22.248) 115.218,22.248 115.218,22.682 cw(c115.405,22.682) 115.592,22.682 115.592,22.248 ccw(c115.779,22.248) 115.966,22.248 115.966,22.682 cw(c116.153,22.682) 116.34,22.682 116.34,22.248 ccw(c116.527,22.248) 116.714,22.248 116.714,22.682 cw(c116.901,22.682) 117.088,22.682 ccw(c117.419,22.73) 117.419,22.395 118.083,22.395 118.15,22.395 118.489,22.395 118.72,22.164 123.784,22.164 124.022,22.402 124.385,22.402 v1(124.475,22.491)